# Altium PCB m-BLANC.PcbDoc (part 1 of 15) (continued)
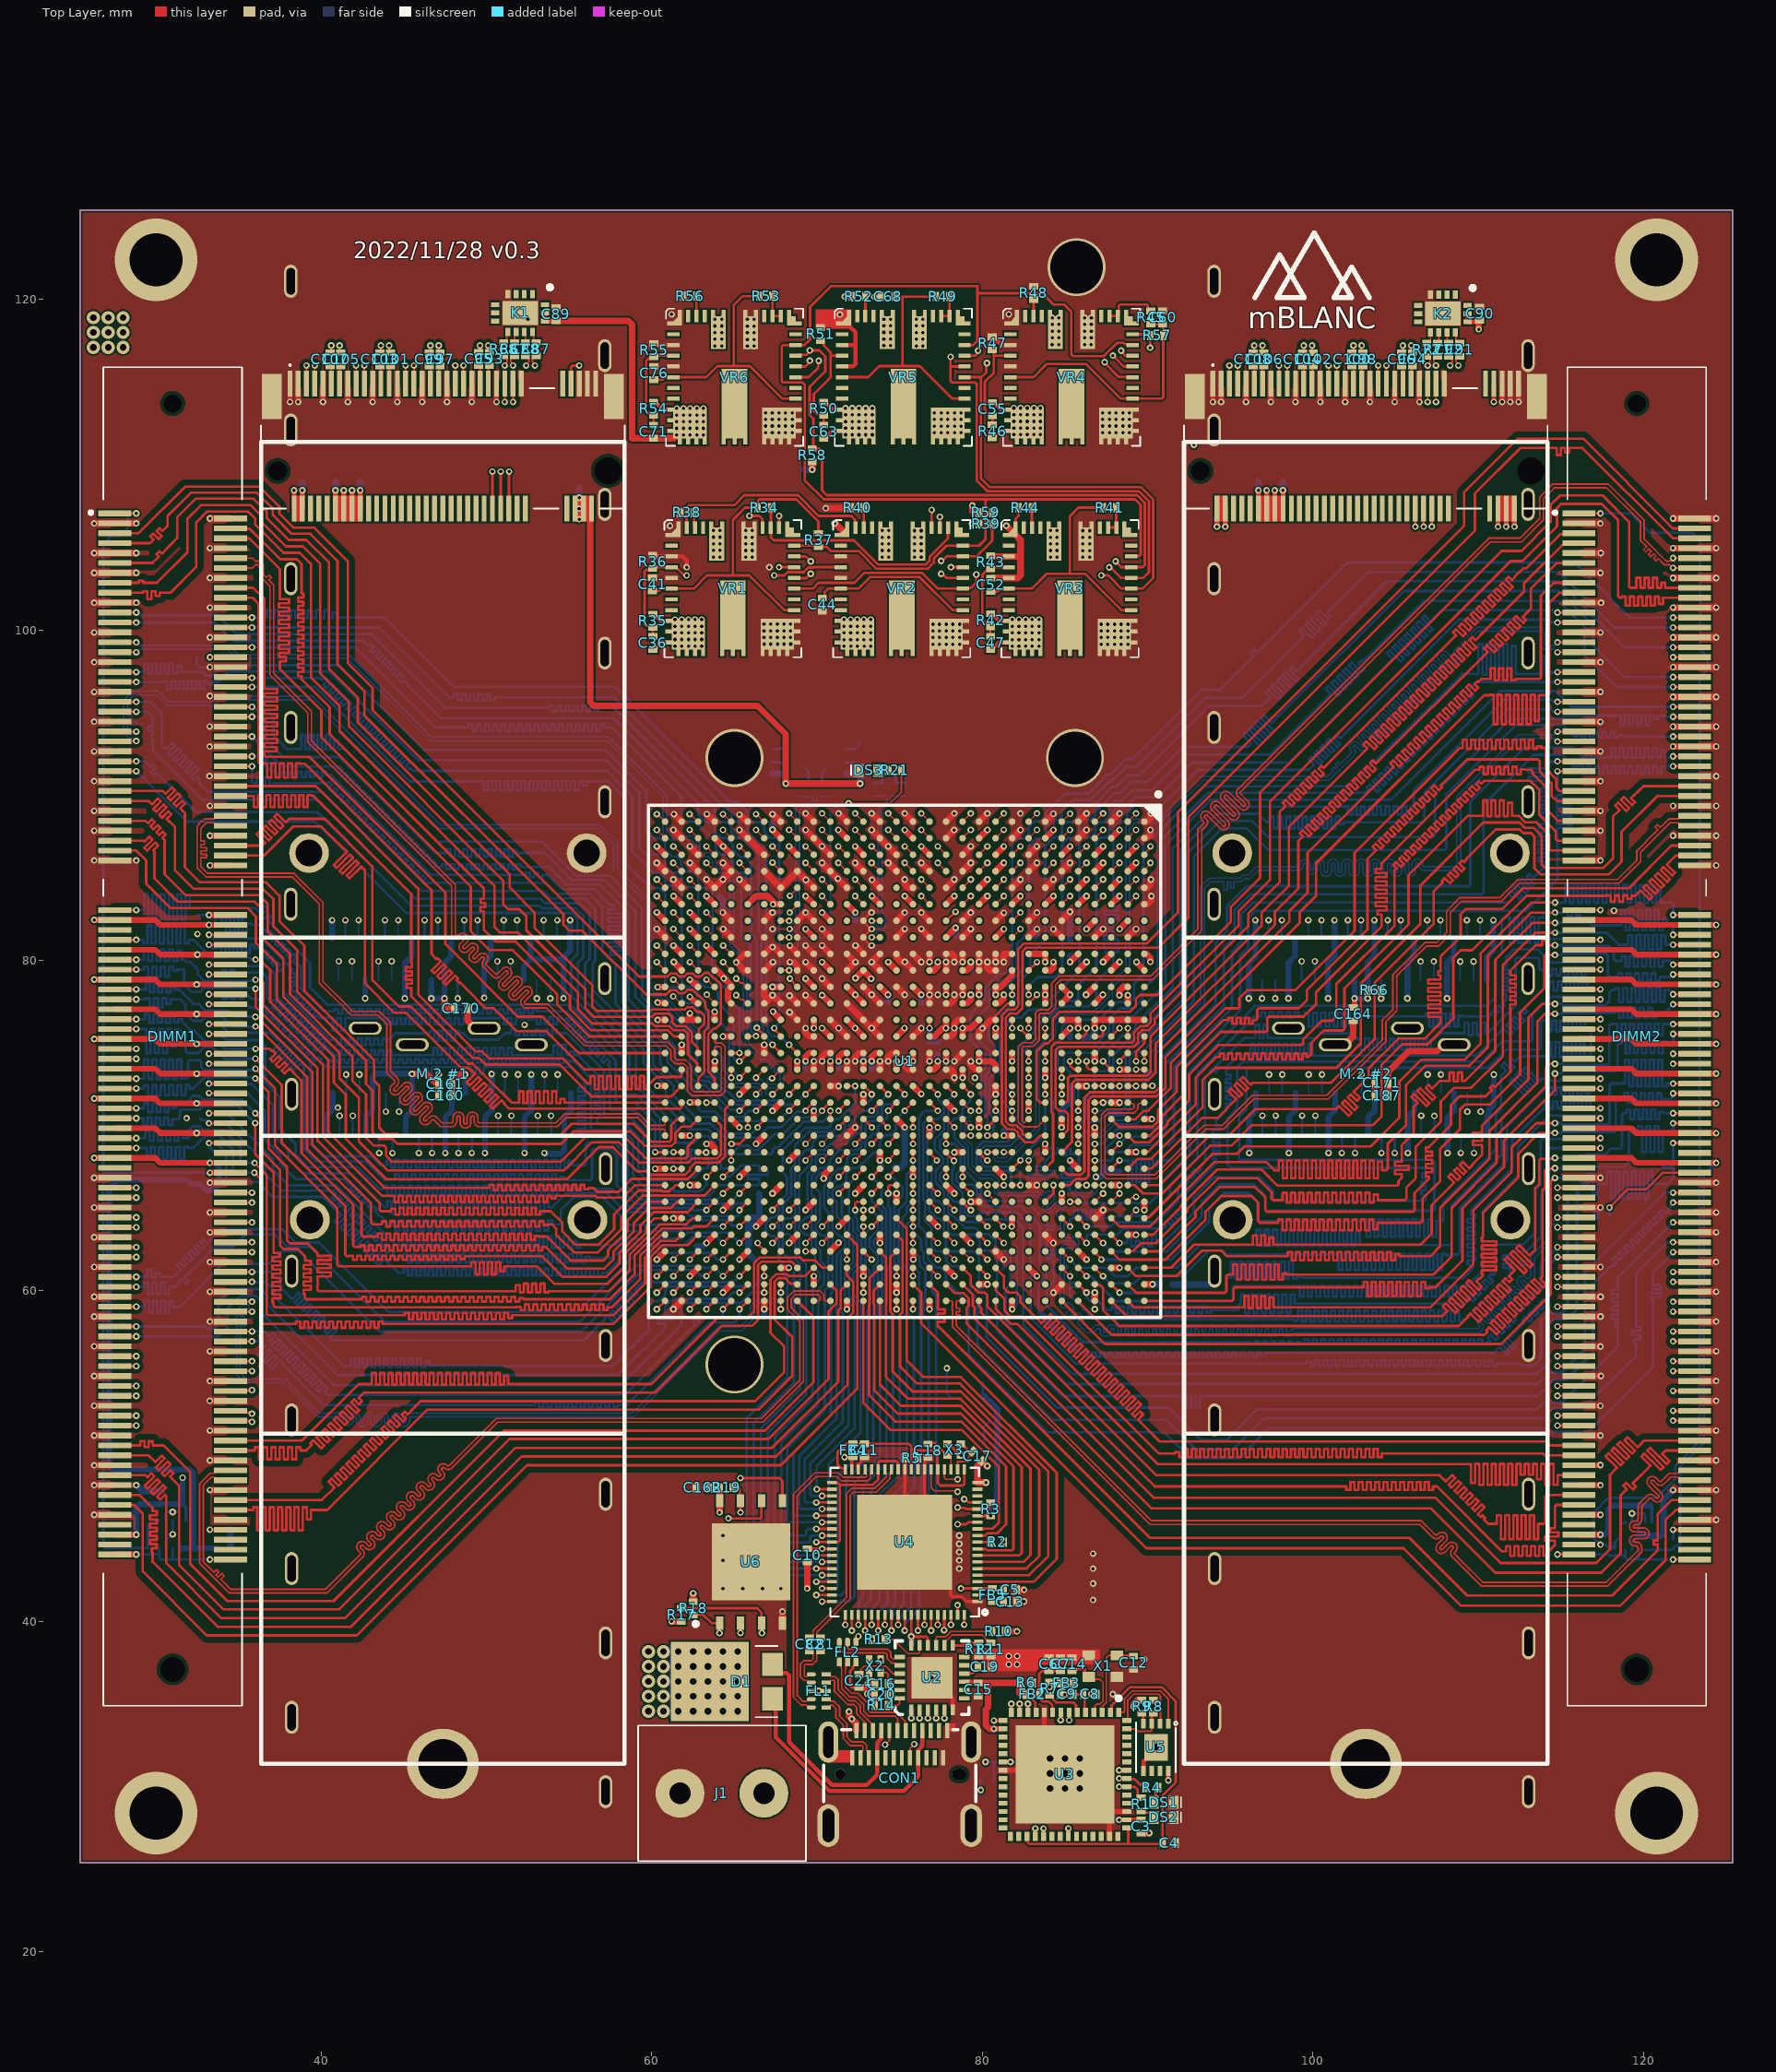
[diagram p0: Top Layer view]
## Classes and differential pairs
differential pair class DRAM2_CLK: DRAM2_CK0 DRAM2_CK1
differential pair class DRAM2_DQS_3: DRAM2_DQS3
differential pair class DRAM2_DQS_2: DRAM2_DQS2
differential pair class DRAM2_DQS_1: DRAM2_DQS1
differential pair class DRAM2_DQS_0: DRAM2_DQS0
differential pair class DRAM2_DQS_4: DRAM2_DQS4
differential pair class DRAM2_DQS_5: DRAM2_DQS5
differential pair class DRAM2_DQS_6: DRAM2_DQS6
differential pair class DRAM2_DQS_7: DRAM2_DQS7
differential pair class DRAM1_CLK: DRAM1_CK0 DRAM1_CK1
differential pair class DRAM1_DQS_0: DRAM1_DQS0
differential pair class DRAM1_DQS_1: DRAM1_DQS1
differential pair class DRAM1_DQS_2: DRAM1_DQS2
differential pair class DRAM1_DQS_3: DRAM1_DQS3
differential pair class DRAM1_DQS_4: DRAM1_DQS4
differential pair class DRAM1_DQS_5: DRAM1_DQS5
differential pair class DRAM1_DQS_6: DRAM1_DQS6
differential pair class DRAM1_DQS_7: DRAM1_DQS7
net class DRAM2_CLK: DRAM2_CK0_N DRAM2_CK0_P DRAM2_CK1_N DRAM2_CK1_P
net class DRAM1_CLK: DRAM1_CK0_N DRAM1_CK0_P DRAM1_CK1_N DRAM1_CK1_P
net class DRAM2_DQ_7: DRAM2_DM7 DRAM2_DQ56 DRAM2_DQ57 DRAM2_DQ58 DRAM2_DQ59 DRAM2_DQ60 DRAM2_DQ61 DRAM2_DQ62 DRAM2_DQ63 DRAM2_DQS7_N DRAM2_DQS7_P
net class DRAM2_DQ_6: DRAM2_DM6 DRAM2_DQ48 DRAM2_DQ49 DRAM2_DQ50 DRAM2_DQ51 DRAM2_DQ52 DRAM2_DQ53 DRAM2_DQ54 DRAM2_DQ55 DRAM2_DQS6_N DRAM2_DQS6_P NetU1_E26
net class DRAM2_DQ_5: DRAM2_DM5 DRAM2_DQ40 DRAM2_DQ41 DRAM2_DQ42 DRAM2_DQ43 DRAM2_DQ44 DRAM2_DQ45 DRAM2_DQ46 DRAM2_DQ47 DRAM2_DQS5_N DRAM2_DQS5_P NetU1_J29
net class DRAM2_DQ_4: DRAM2_DM4 DRAM2_DQ32 DRAM2_DQ33 DRAM2_DQ34 DRAM2_DQ35 DRAM2_DQ36 DRAM2_DQ37 DRAM2_DQ38 DRAM2_DQ39 DRAM2_DQS4_N DRAM2_DQS4_P
net class DRAM2_DQ_3: DRAM2_DM3 DRAM2_DQ24 DRAM2_DQ25 DRAM2_DQ26 DRAM2_DQ27 DRAM2_DQ28 DRAM2_DQ29 DRAM2_DQ30 DRAM2_DQ31 DRAM2_DQS3_N DRAM2_DQS3_P
net class DRAM2_DQ_2: DRAM2_DM2 DRAM2_DQ16 DRAM2_DQ17 DRAM2_DQ18 DRAM2_DQ19 DRAM2_DQ20 DRAM2_DQ21 DRAM2_DQ22 DRAM2_DQ23 DRAM2_DQS2_N DRAM2_DQS2_P NetU1_F21
net class DRAM2_DQ_1: DRAM2_DM1 DRAM2_DQ8 DRAM2_DQ9 DRAM2_DQ10 DRAM2_DQ11 DRAM2_DQ12 DRAM2_DQ13 DRAM2_DQ14 DRAM2_DQ15 DRAM2_DQS1_N DRAM2_DQS1_P NetU1_D19
net class DRAM2_DQ_0: DRAM2_DM0 DRAM2_DQ0 DRAM2_DQ1 DRAM2_DQ2 DRAM2_DQ3 DRAM2_DQ4 DRAM2_DQ5 DRAM2_DQ6 DRAM2_DQ7 DRAM2_DQS0_N DRAM2_DQS0_P
net class DRAM2_CTRL: DRAM2_A0 DRAM2_A1 DRAM2_A2 DRAM2_A3 DRAM2_A4 DRAM2_A5 DRAM2_A6 DRAM2_A7 DRAM2_A8 DRAM2_A9 DRAM2_A10 DRAM2_A11 DRAM2_A12 DRAM2_A13 DRAM2_A14 DRAM2_A15 DRAM2_BA0 DRAM2_BA1 DRAM2_BA2 DRAM2_CAS# DRAM2_CKE0 DRAM2_CKE1 DRAM2_CS0# DRAM2_CS1# DRAM2_ODT0 DRAM2_ODT1 DRAM2_RAS# DRAM2_WE# NetU1_L21 NetU1_L28 NetU1_M17 NetU1_M18 NetU1_M19 NetU1_M20 NetU1_N17 NetU1_N19 NetU1_N20 NetU1_N21 NetU1_N24 NetU1_N25 NetU1_P17 NetU1_P18 NetU1_P19 NetU1_P21
net class DRAM1_DQ_2: DRAM1_DM2 DRAM1_DQ16 DRAM1_DQ17 DRAM1_DQ18 DRAM1_DQ19 DRAM1_DQ20 DRAM1_DQ21 DRAM1_DQ22 DRAM1_DQ23 DRAM1_DQS2_N DRAM1_DQS2_P NetU1_AG17
net class DRAM1_DQ_3: DRAM1_DM3 DRAM1_DQ24 DRAM1_DQ25 DRAM1_DQ26 DRAM1_DQ27 DRAM1_DQ28 DRAM1_DQ29 DRAM1_DQ30 DRAM1_DQ31 DRAM1_DQS3_N DRAM1_DQS3_P NetU1_AG17
net class DRAM1_DQ_1: DRAM1_DM1 DRAM1_DQ8 DRAM1_DQ9 DRAM1_DQ10 DRAM1_DQ11 DRAM1_DQ12 DRAM1_DQ13 DRAM1_DQ14 DRAM1_DQ15 DRAM1_DQS1_N DRAM1_DQS1_P NetU1_AE14
net class DRAM1_DQ_0: DRAM1_DM0 DRAM1_DQ0 DRAM1_DQ1 DRAM1_DQ2 DRAM1_DQ3 DRAM1_DQ4 DRAM1_DQ5 DRAM1_DQ6 DRAM1_DQ7 DRAM1_DQS0_N DRAM1_DQS0_P
net class DRAM1_DQ_4: DRAM1_DM4 DRAM1_DQ32 DRAM1_DQ33 DRAM1_DQ34 DRAM1_DQ35 DRAM1_DQ36 DRAM1_DQ37 DRAM1_DQ38 DRAM1_DQ39 DRAM1_DQS4_N DRAM1_DQS4_P NetU1_AG27
net class DRAM1_CTRL: DRAM1_A0 DRAM1_A1 DRAM1_A2 DRAM1_A3 DRAM1_A4 DRAM1_A5 DRAM1_A6 DRAM1_A7 DRAM1_A8 DRAM1_A9 DRAM1_A10 DRAM1_A11 DRAM1_A12 DRAM1_A13 DRAM1_A14 DRAM1_A15 DRAM1_BA0 DRAM1_BA1 DRAM1_BA2 DRAM1_CAS# DRAM1_CKE0 DRAM1_CKE1 DRAM1_CS0# DRAM1_CS1# DRAM1_ODT0 DRAM1_ODT1 DRAM1_RAS# DRAM1_WE# NetU1_AF22 NetU1_AF23 NetU1_AG20 NetU1_AG23 NetU1_AH21 NetU1_AJ21 NetU1_AJ22 NetU1_AJ23 NetU1_AJ24 NetU1_AJ26 NetU1_AK21 NetU1_AK23 NetU1_AK24 NetU1_AK25 NetU1_AK26
net class DRAM1_DQ_7: DRAM1_DM7 DRAM1_DQ56 DRAM1_DQ57 DRAM1_DQ58 DRAM1_DQ59 DRAM1_DQ60 DRAM1_DQ61 DRAM1_DQ62 DRAM1_DQ63 DRAM1_DQS7_N DRAM1_DQS7_P
net class DRAM1_DQ_6: DRAM1_DM6 DRAM1_DQ48 DRAM1_DQ49 DRAM1_DQ50 DRAM1_DQ51 DRAM1_DQ52 DRAM1_DQ53 DRAM1_DQ54 DRAM1_DQ55 DRAM1_DQS6_N DRAM1_DQS6_P NetU1_AB27
net class DRAM1_DQ_5: DRAM1_DM5 DRAM1_DQ40 DRAM1_DQ41 DRAM1_DQ42 DRAM1_DQ43 DRAM1_DQ44 DRAM1_DQ45 DRAM1_DQ46 DRAM1_DQ47 DRAM1_DQS5_N DRAM1_DQS5_P NetU1_AG28
component class 5-QSPF: C85 C86 C164 C165 C166 C167 C168 C169 C170 C171 C175 C176 C177 C178 "QSFP+ #1" "QSFP+ #2" "QSFP+ #3" "QSFP+ #4" R63 R64 R76 R77 Y2 Y3
component class 4-PCIe: C83 C84 C87 C88 C89 C90 C91 C92 C93 C94 C95 C96 C97 C98 C99 C100 C101 C102 C103 C104 C105 C106 C107 C108 K1 K2 "M.2 #1" "M.2 #2" R62 R65 R66 R67 R68 R69 R70 R71 R72 R73 R74 Y1
component class 3-FIFO: C3 C4 C5 C6 C7 C8 C9 C10 C11 C12 C13 C14 C15 C16 C17 C18 C19 C20 C21 C81 C82 CON1 D1 D2 DS1 DS2 DS3 FB2 FB3 FB4 FB5 FL1 FL2 J1 Q1 R1 R2 R3 R4 R5 R6 R7 R8 R9 R10 R11 R12 R13 R14 R15 R16 R17 R18 R19 R20 R21 R60 R61 R75 U2 U3 U4 U5 U6 X1 X2 X3
component class 2-MEMORY: C1 C2 C22 C23 C24 C25 C26 C27 C28 C29 C30 C31 C32 C33 C172 C173 C174 DIMM1 DIMM2 R22 R23 R24 R25 R26 R27 R28 R29 R30 R31 R32 R33 U1 U7 U8
differential pair class QSFP+_4_DIF: QSFP4_RX1 QSFP4_RX2 QSFP4_RX3 QSFP4_RX4 QSFP4_TX1 QSFP4_TX2 QSFP4_TX3 QSFP4_TX4
differential pair class QSFP+_3_DIF: QSFP3_RX1 QSFP3_RX2 QSFP3_RX3 QSFP3_RX4 QSFP3_TX1 QSFP3_TX2 QSFP3_TX3 QSFP3_TX4
differential pair class QSFP+_2_DIF: QSFP2_RX1 QSFP2_RX2 QSFP2_RX3 QSFP2_RX4 QSFP2_TX1 QSFP2_TX2 QSFP2_TX3 QSFP2_TX4
differential pair class QSFP+_1_DIF: QSFP1_RX1 QSFP1_RX2 QSFP1_RX3 QSFP1_RX4 QSFP1_TX1 QSFP1_TX2 QSFP1_TX3 QSFP1_TX4
differential pair class PCIe_2_DIF: PCIe2_CLK PCIe2_RCLK PCIe2_RX0 PCIe2_RX1 PCIe2_RX2 PCIe2_RX3 PCIe2_TX0 PCIe2_TX1 PCIe2_TX2 PCIe2_TX3
differential pair class PCIe_1_DIF: PCIe1_CLK PCIe1_RCLK PCIe1_RX0 PCIe1_RX1 PCIe1_RX2 PCIe1_RX3 PCIe1_TX0 PCIe1_TX1 PCIe1_TX2 PCIe1_TX3
differential pair class DRAM2_DIF: DRAM2_CK0 DRAM2_CK1 DRAM2_DQS0 DRAM2_DQS1 DRAM2_DQS2 DRAM2_DQS3 DRAM2_DQS4 DRAM2_DQS5 DRAM2_DQS6 DRAM2_DQS7
differential pair class DRAM1_DIF: DRAM1_CK0 DRAM1_CK1 DRAM1_DQS0 DRAM1_DQS1 DRAM1_DQS2 DRAM1_DQS3 DRAM1_DQS4 DRAM1_DQS5 DRAM1_DQS6 DRAM1_DQS7
net class QSFP+_4_BUS: QSFP4_RX1_N QSFP4_RX1_P QSFP4_RX2_N QSFP4_RX2_P QSFP4_RX3_N QSFP4_RX3_P QSFP4_RX4_N QSFP4_RX4_P QSFP4_TX1_N QSFP4_TX1_P QSFP4_TX2_N QSFP4_TX2_P QSFP4_TX3_N QSFP4_TX3_P QSFP4_TX4_N QSFP4_TX4_P
net class QSFP+_3_BUS: QSFP3_RX1_N QSFP3_RX1_P QSFP3_RX2_N QSFP3_RX2_P QSFP3_RX3_N QSFP3_RX3_P QSFP3_RX4_N QSFP3_RX4_P QSFP3_TX1_N QSFP3_TX1_P QSFP3_TX2_N QSFP3_TX2_P QSFP3_TX3_N QSFP3_TX3_P QSFP3_TX4_N QSFP3_TX4_P
net class QSFP+_2_BUS: QSFP2_RX1_N QSFP2_RX1_P QSFP2_RX2_N QSFP2_RX2_P QSFP2_RX3_N QSFP2_RX3_P QSFP2_RX4_N QSFP2_RX4_P QSFP2_TX1_N QSFP2_TX1_P QSFP2_TX2_N QSFP2_TX2_P QSFP2_TX3_N QSFP2_TX3_P QSFP2_TX4_N QSFP2_TX4_P
net class QSFP+_1_BUS: QSFP1_RX1_N QSFP1_RX1_P QSFP1_RX2_N QSFP1_RX2_P QSFP1_RX3_N QSFP1_RX3_P QSFP1_RX4_N QSFP1_RX4_P QSFP1_TX1_N QSFP1_TX1_P QSFP1_TX2_N QSFP1_TX2_P QSFP1_TX3_N QSFP1_TX3_P QSFP1_TX4_N QSFP1_TX4_P
net class PCIe_2_BUS: PCIe2_CLK_N PCIe2_CLK_P PCIe2_RCLK_N PCIe2_RCLK_P PCIe2_RX0_N PCIe2_RX0_P PCIe2_RX1_N PCIe2_RX1_P PCIe2_RX2_N PCIe2_RX2_P PCIe2_RX3_N PCIe2_RX3_P PCIe2_TX0_N PCIe2_TX0_P PCIe2_TX1_N PCIe2_TX1_P PCIe2_TX2_N PCIe2_TX2_P PCIe2_TX3_N PCIe2_TX3_P
net class PCIe_1_BUS: PCIe1_CLK_N PCIe1_CLK_P PCIe1_RCLK_N PCIe1_RCLK_P PCIe1_RX0_N PCIe1_RX0_P PCIe1_RX1_N PCIe1_RX1_P PCIe1_RX2_N PCIe1_RX2_P PCIe1_RX3_N PCIe1_RX3_P PCIe1_TX0_N PCIe1_TX0_P PCIe1_TX1_N PCIe1_TX1_P PCIe1_TX2_N PCIe1_TX2_P PCIe1_TX3_N PCIe1_TX3_P
net class FIFO_BUS: FT_BE0 FT_BE1 FT_BE2 FT_BE3 FT_CLK FT_D0 FT_D1 FT_D2 FT_D3 FT_D4 FT_D5 FT_D6 FT_D7 FT_D8 FT_D9 FT_D10 FT_D11 FT_D12 FT_D13 FT_D14 FT_D15 FT_D16 FT_D17 FT_D18 FT_D19 FT_D20 FT_D21 FT_D22 FT_D23 FT_D24 FT_D25 FT_D26 FT_D27 FT_D28 FT_D29 FT_D30 FT_D31 FT_OE FT_RD FT_RXF FT_TXE FT_WR
component class 1-POWER: C34 C35 C36 C37 C38 C39 C40 C41 C42 C43 C44 C45 C46 C47 C48 C49 C50 C51 C52 C53 C54 C55 C56 C57 C58 C59 C60 C61 C62 C63 C64 C65 C66 C67 C68 C69 C70 C71 C72 C73 C74 C75 C76 C77 C78 C79 C80 C109 C110 C111 C112 C113 C114 C115 C116 C117 C118 C119 C120 C121 C122 C123 C124 C125 C126 C127 C128 C129 C130 C131 C132 C133 C134 C135 C136 C137 C138 C139 C140 C141 C142 C143 C144 C145 C146 C147 C148 C149 C150 C151 C152 C153 C154 C155 C156 C157 C158 C159 C160 C161 C162 C163 C179 C180 C181 C182 C183 C184 C185 C186 C187 C188 C189 C190 C191 C192 C193 C194 C195 C196 C197 C198 C199 C200 "DIMM #1" FB1 R34 R35 R36 R37 R38 R39 R40 R41 R42 R43 R44 R45 R46 R47 R48 R49 R50 R51 R52 R53 R54 R55 R56 R57 R58 R59 VR1 VR2 VR3 VR4 VR5 VR6
differential pair Q1_CLK: +Q1_CLK_P -Q1_CLK_N
differential pair Q0_CLK: +Q0_CLK_P -Q0_CLK_N
differential pair PCIe2_RCLK: +PCIe2_RCLK_P -PCIe2_RCLK_N
differential pair PCIe1_RCLK: +PCIe1_RCLK_P -PCIe1_RCLK_N
differential pair TOD: +TOD_P -TOD_N
differential pair SS_TX: +SS_TX_P -SS_TX_N
differential pair SS_RX: +SS_RX_P -SS_RX_N
differential pair D: +D_P -D_N
differential pair QSFP4_TX4: +QSFP4_TX4_P -QSFP4_TX4_N
differential pair QSFP4_TX3: +QSFP4_TX3_P -QSFP4_TX3_N
differential pair QSFP4_TX2: +QSFP4_TX2_P -QSFP4_TX2_N
differential pair QSFP4_TX1: +QSFP4_TX1_P -QSFP4_TX1_N
differential pair QSFP4_RX4: +QSFP4_RX4_P -QSFP4_RX4_N
differential pair QSFP4_RX3: +QSFP4_RX3_P -QSFP4_RX3_N
differential pair QSFP4_RX2: +QSFP4_RX2_P -QSFP4_RX2_N
differential pair QSFP4_RX1: +QSFP4_RX1_P -QSFP4_RX1_N
differential pair QSFP3_TX4: +QSFP3_TX4_P -QSFP3_TX4_N
differential pair QSFP3_TX3: +QSFP3_TX3_P -QSFP3_TX3_N
differential pair QSFP3_TX2: +QSFP3_TX2_P -QSFP3_TX2_N
differential pair QSFP3_TX1: +QSFP3_TX1_P -QSFP3_TX1_N
differential pair QSFP3_RX4: +QSFP3_RX4_P -QSFP3_RX4_N
differential pair QSFP3_RX3: +QSFP3_RX3_P -QSFP3_RX3_N
differential pair QSFP3_RX2: +QSFP3_RX2_P -QSFP3_RX2_N
differential pair QSFP3_RX1: +QSFP3_RX1_P -QSFP3_RX1_N
differential pair USBD: +USBD_P -USBD_N
differential pair SSTX: +SSTX_P -SSTX_N
differential pair SSRX: +SSRX_P -SSRX_N
differential pair QSFP2_RX4: +QSFP2_RX4_P -QSFP2_RX4_N
differential pair QSFP2_RX3: +QSFP2_RX3_P -QSFP2_RX3_N
differential pair QSFP2_RX2: +QSFP2_RX2_P -QSFP2_RX2_N
differential pair QSFP2_RX1: +QSFP2_RX1_P -QSFP2_RX1_N
differential pair QSFP1_RX4: +QSFP1_RX4_P -QSFP1_RX4_N
differential pair QSFP1_RX3: +QSFP1_RX3_P -QSFP1_RX3_N
differential pair QSFP1_RX2: +QSFP1_RX2_P -QSFP1_RX2_N
differential pair QSFP1_RX1: +QSFP1_RX1_P -QSFP1_RX1_N
differential pair QSFP2_TX4: +QSFP2_TX4_P -QSFP2_TX4_N
differential pair QSFP2_TX3: +QSFP2_TX3_P -QSFP2_TX3_N
differential pair QSFP2_TX2: +QSFP2_TX2_P -QSFP2_TX2_N
differential pair QSFP2_TX1: +QSFP2_TX1_P -QSFP2_TX1_N
differential pair QSFP1_TX4: +QSFP1_TX4_P -QSFP1_TX4_N
differential pair QSFP1_TX3: +QSFP1_TX3_P -QSFP1_TX3_N
differential pair QSFP1_TX2: +QSFP1_TX2_P -QSFP1_TX2_N
differential pair QSFP1_TX1: +QSFP1_TX1_P -QSFP1_TX1_N
differential pair PCIe2_TX3: +PCIe2_TX3_P -PCIe2_TX3_N
differential pair PCIe2_TX2: +PCIe2_TX2_P -PCIe2_TX2_N
differential pair PCIe2_TX1: +PCIe2_TX1_P -PCIe2_TX1_N
differential pair PCIe2_TX0: +PCIe2_TX0_P -PCIe2_TX0_N
differential pair PCIe2_RX3: +PCIe2_RX3_P -PCIe2_RX3_N
differential pair PCIe2_RX2: +PCIe2_RX2_P -PCIe2_RX2_N
differential pair PCIe2_RX1: +PCIe2_RX1_P -PCIe2_RX1_N
differential pair PCIe2_RX0: +PCIe2_RX0_P -PCIe2_RX0_N
differential pair PCIe2_CLK: +PCIe2_CLK_P -PCIe2_CLK_N
differential pair PCIe1_TX3: +PCIe1_TX3_P -PCIe1_TX3_N
differential pair PCIe1_TX2: +PCIe1_TX2_P -PCIe1_TX2_N
differential pair PCIe1_TX1: +PCIe1_TX1_P -PCIe1_TX1_N
differential pair PCIe1_TX0: +PCIe1_TX0_P -PCIe1_TX0_N
differential pair PCIe1_RX3: +PCIe1_RX3_P -PCIe1_RX3_N
differential pair PCIe1_RX2: +PCIe1_RX2_P -PCIe1_RX2_N
differential pair PCIe1_RX1: +PCIe1_RX1_P -PCIe1_RX1_N
differential pair PCIe1_RX0: +PCIe1_RX0_P -PCIe1_RX0_N
differential pair PCIe1_CLK: +PCIe1_CLK_P -PCIe1_CLK_N
differential pair D2: +D2_P -D2_N
differential pair D1: +D1_P -D1_N
differential pair DRAM2_DQS7: +DRAM2_DQS7_P -DRAM2_DQS7_N
differential pair DRAM2_DQS6: +DRAM2_DQS6_P -DRAM2_DQS6_N
differential pair DRAM2_DQS5: +DRAM2_DQS5_P -DRAM2_DQS5_N
differential pair DRAM2_DQS4: +DRAM2_DQS4_P -DRAM2_DQS4_N
differential pair DRAM2_DQS3: +DRAM2_DQS3_P -DRAM2_DQS3_N
differential pair DRAM2_DQS2: +DRAM2_DQS2_P -DRAM2_DQS2_N
differential pair DRAM2_DQS1: +DRAM2_DQS1_P -DRAM2_DQS1_N
differential pair DRAM2_DQS0: +DRAM2_DQS0_P -DRAM2_DQS0_N
differential pair DRAM2_CK1: +DRAM2_CK1_P -DRAM2_CK1_N
differential pair DRAM2_CK0: +DRAM2_CK0_P -DRAM2_CK0_N
differential pair DRAM1_DQS7: +DRAM1_DQS7_P -DRAM1_DQS7_N
differential pair DRAM1_DQS6: +DRAM1_DQS6_P -DRAM1_DQS6_N
differential pair DRAM1_DQS5: +DRAM1_DQS5_P -DRAM1_DQS5_N
differential pair DRAM1_DQS4: +DRAM1_DQS4_P -DRAM1_DQS4_N
differential pair DRAM1_DQS3: +DRAM1_DQS3_P -DRAM1_DQS3_N
differential pair DRAM1_DQS2: +DRAM1_DQS2_P -DRAM1_DQS2_N
differential pair DRAM1_DQS1: +DRAM1_DQS1_P -DRAM1_DQS1_N
differential pair DRAM1_DQS0: +DRAM1_DQS0_P -DRAM1_DQS0_N
differential pair DRAM1_CK1: +DRAM1_CK1_P -DRAM1_CK1_N
differential pair DRAM1_CK0: +DRAM1_CK0_P -DRAM1_CK0_N

## Components (designator, comment, footprint, x,y, rotation, side; value= is the part's Value field where it differs from the comment)
C1 "0.1u" SMD0402 32.624,67.421 r270 bottom
C2 "0.1u" SMD0402 27.906,107.058 r0 bottom
C3 "0.1u" SMD0402 89.596,27.595 r90 top
C4 "4.7u" SMD0402 91.3,26.6 r180 top
C5 "4.7u" SMD0402 81.681,41.91 r180 top
C6 "4.7u" SMD0402 84.025,37.41 r270 top
C7 "0.1u" SMD0402 84.725,37.41 r270 top
C8 "4.7u" SMD0402 86.495,35.589 r180 top
C9 "0.1u" SMD0402 85.095,35.589 r0 top
C10 "0.1u" SMD0402 69.4,44 r90 top
C11 "0.1u" SMD0402 72.863,50.35 r90 top
C12 "27p" SMD0402 89.147,37.5 r270 top
C13 "0.1u" SMD0402 81.68,41.193 r0 top
C14 "27p" SMD0402 85.425,37.41 r270 top
C15 "0.1u" SMD0402 79.743,35.89 r270 top
C16 "19p" SMD0402 73.889,36.227 r0 top
C17 "19p" SMD0402 79.7,50 r315 top
C18 "19p" SMD0402 76.703,50.334 r270 top
C19 "1u" SMD0402 80.134,37.255 r0 top
C20 "0.1u" SMD0402 73.888,35.573 r180 top
C21 "19p" SMD0402 72.524,36.4 r90 top
C22 "0.1u" SMD0402 62.666,62.303 r270 bottom
C23 "0.1u" SMD0402 116.426,107.052 r0 bottom
C24 "0.1u" SMD0402 116.2,45.8 r0 bottom
C25 "0.1u" SMD0402 80.875,61.274 r180 bottom
C26 "10u" SMD0402 32.494,43.355 r270 bottom
C27 "10u" SMD0402 121.089,43.341 r270 bottom
C28 "0.22u" SMD0402 29.5,44.05 r90 bottom
C29 "0.22u" SMD0402 118.245,43.988 r90 bottom
C30 "10u" SMD0402 34.108,44.416 r0 bottom
C31 "0.1u" SMD0402 30.3,47.5 r90 bottom
C32 "10u" SMD0402 122.21,44.36 r0 bottom
C33 "0.1u" SMD0402 120.812,47.042 r0 bottom
C34 "22uF" CAPC3225X280N#1 67.864,103.735 r90 bottom
C35 "1uF" CAPC3225X280N#1 61.929,103.735 r90 bottom
C36 "10n" SMD0402 60.052,99.213 r90 top
C37 "100uF" CAPC3225X280N#1 61.905,96.804 r270 bottom
C38 "100uF" CAPC3225X280N#2 64.873,101.08 r90 bottom
C39 "100uF" CAPC3225X280N#1 64.879,96.804 r270 bottom
C40 "100uF" CAPC3225X280N#1 67.81,96.804 r270 bottom
C41 "1u" SMD0402 60.036,102.753 r270 top
C42 "22uF" CAPC3225X280N#1 72.199,103.735 r90 bottom
C43 "1uF" CAPC3225X280N#1 78.064,103.735 r90 bottom
C44 "1u" SMD0402 70.311,101.525 r90 top
C45 "22uF" CAPC3225X280N#1 82.399,103.735 r90 bottom
C46 "1uF" CAPC3225X280N#1 88.246,103.735 r90 bottom
C47 "10n" SMD0402 80.5,99.213 r90 top
C48 "100uF" CAPC3225X280N#1 82.356,96.804 r270 bottom
C49 "100uF" CAPC3225X280N#1 85.311,101.038 r90 bottom
C50 "100uF" CAPC3225X280N#1 85.299,96.804 r270 bottom
C51 "100uF" CAPC3225X280N#1 88.254,96.804 r270 bottom
C52 "1u" SMD0402 80.509,102.725 r270 top
C53 "22uF" CAPC3225X280N#1 82.472,116.578 r90 bottom
C54 "1uF" CAPC3225X280N#1 88.319,116.578 r90 bottom
C55 "10n" SMD0402 80.609,113.363 r270 top
C56 "100uF" CAPC3225X280N#1 82.483,109.614 r270 bottom
C57 "100uF" CAPC3225X280N#1 85.398,109.616 r270 bottom
C58 "100uF" CAPC3225X280N#1 85.399,113.879 r90 bottom
C59 "100uF" CAPC3225X280N#1 88.324,109.622 r270 bottom
C60 "1u" SMD0402 90.904,118.899 r270 top
C61 "22uF" CAPC3225X280N#1 72.3,116.578 r90 bottom
C62 "1uF" CAPC3225X280N#1 78.17,116.578 r90 bottom
C63 "10n" SMD0402 70.394,112 r90 top
C64 "100uF" CAPC3225X280N#1 75.22,113.9 r90 bottom
C65 "100uF" CAPC3225X280N#1 72.3,109.6 r270 bottom
C66 "100uF" CAPC3225X280N#1 75.24,109.607 r270 bottom
C67 "100uF" CAPC3225X280N#1 78.2,109.6 r270 bottom
C68 "1u" SMD0402 74.278,120.176 r0 top locked
C69 "22uF" CAPC3225X280N#1 62.143,116.599 r90 bottom
C70 "1uF" CAPC3225X280N#1 68.022,116.613 r90 bottom
C71 "10n" SMD0402 60.1,112 r90 top
C72 "100uF" CAPC3225X280N#1 62.125,109.605 r270 bottom
C73 "100uF" CAPC3225X280N#1 65.066,109.606 r270 bottom
C74 "100uF" CAPC3225X280N#1 65.072,113.901 r90 bottom
C75 "100uF" CAPC3225X280N#1 67.971,109.605 r270 bottom
C76 "1u" SMD0402 60.124,115.543 r270 top
C77 "100uF" CAPC3225X280N#1 72.216,96.804 r270 bottom
C78 "100uF" CAPC3225X280N#3 75.123,101.084 r90 bottom
C79 "100uF" CAPC3225X280N#1 75.123,96.804 r270 bottom
C80 "100uF" CAPC3225X280N#1 78.038,96.804 r270 bottom
C81 "0.1u" SMD0402 70.2,38.6 r270 top locked
C82 "0.1u" SMD0402 69.533,38.602 r270 top locked
C83 "0.1u" SMD0402 79.616,54.489 r180 bottom
C84 "12p" SMD0402 78.238,54.485 r180 bottom
C85 "0.1u" SMD0402 68.914,90.323 r270 bottom
C86 "0.1u" SMD0402 70.855,90.323 r270 bottom
C87 "0.1u" SMD0402 52.993,116.998 r90 top
C88 "0.1u" SMD0402 52.342,116.998 r90 top
C89 "0.1u" SMD0402 54.2,119.1 r270 top
C90 "0.1u" SMD0402 110.09,119.142 r270 top
C91 "0.1u" SMD0402 108.878,116.946 r90 top
C92 "0.1u" SMD0402 108.221,116.955 r90 top
C93 "0.1u" SMD0402 50.17,116.393 r270 top
C94 "0.1u" SMD0402 106.024,116.38 r270 top locked
C95 "0.1u" SMD0402 49.52,116.393 r270 top
C96 "0.1u" SMD0402 105.374,116.38 r270 top locked
C97 "0.1u" SMD0402 47.181,116.382 r270 top
C98 "0.1u" SMD0402 103.018,116.38 r270 top locked
C99 "0.1u" SMD0402 46.525,116.382 r270 top
C100 "0.1u" SMD0402 102.364,116.38 r270 top locked
C101 "0.1u" SMD0402 44.184,116.383 r270 top
C102 "0.1u" SMD0402 100.027,116.38 r270 top locked
C103 "0.1u" SMD0402 43.533,116.385 r270 top